# Altium PCB sFMC-98_s2.PcbDoc (part 2 of 2)
Units mm, origin at the board's own origin, x right, y up, seen from the top; angles counter-clockwise.
Board outline 80.35 x 49 mm, 2 copper layers (Top Layer, Bottom Layer); 74 components, 111 nets, 431 pads, 199 vias.
Unrouted connection lines stored in the file: 1.
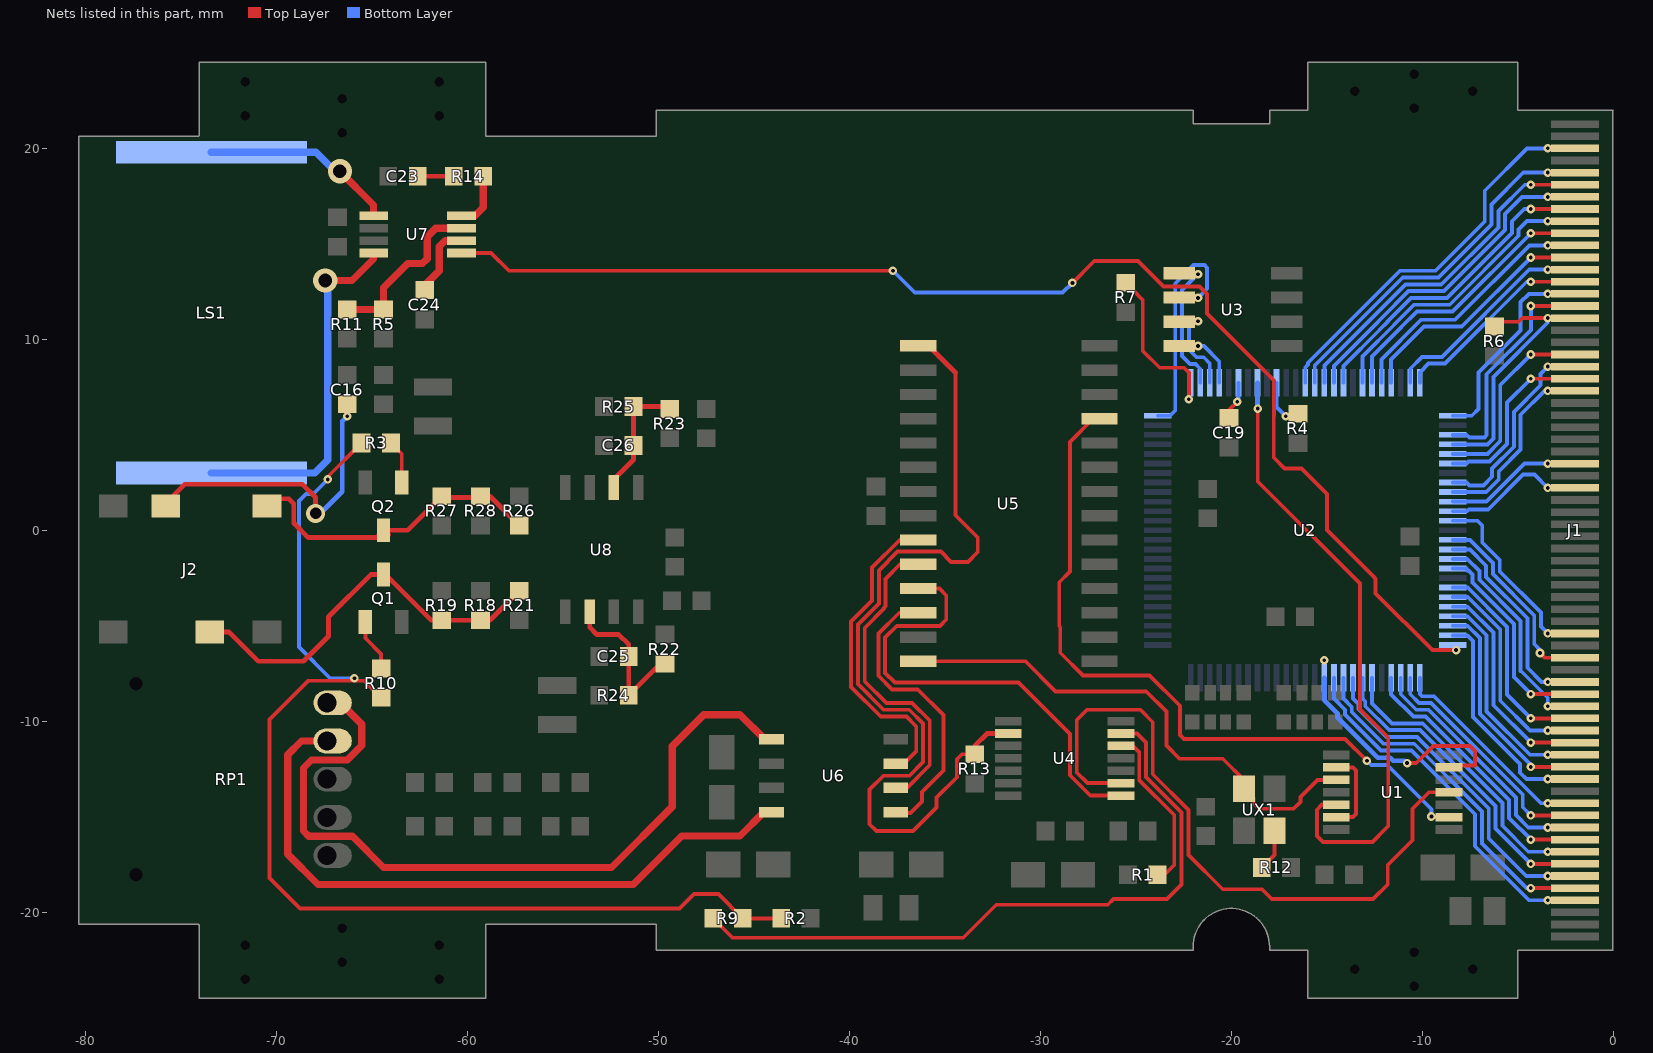
[diagram p2: the nets of this part, all layers, seen from the top]

## Via types
v1: diameter 1, hole 0.6, Top Layer to Bottom Layer, 98 vias
v2: diameter 0.45, hole 0.2, Top Layer to Bottom Layer, 95 vias
v3: diameter 1.27, hole 0.711, Top Layer to Bottom Layer, 6 vias

## Nets (pads, with @x,y where several pads share a name; then routed paths per layer and width w, separated by ;. In a path a pad name is that pad's centre, name@x,y a point inside that pad or via, vN(x,y) a via of type N, cw(c..) or ccw(c..) an arc to the next point about the centre after c; other vN are vias at no path point) (continued)
NetC16_2: C16.2 J2.5 | length 15.4
  Top Layer w0.254: J2.5@-75.791,1.268 -75.791,1.425 -74.803,2.413 -68.64,2.413 -67.945,1.718 v1(-67.945,0.889)
  Bottom Layer w0.254: v1(-67.945,0.889) -67.691,0.889 -66.548,2.032 -66.548,5.715 v2(-66.294,5.969)
NetC19_2: C19.2 U2.56 | length 1.8
  Top Layer w0.203: C19.2@-20.066,6.084 -20.066,6.35 v2(-19.685,6.731)
  Bottom Layer w0.203: v2(-19.685,6.731) -19.629,6.787 U2.56@-19.629,7.725
NetC23_1: C23.1 R14.2 | length 1.9
  Top Layer w0.254: C23.1@-62.603,18.542 R14.2@-60.714,18.542
NetC24_2: C24.2 U7.2 | length 3.9
  Top Layer w0.381: C24.2@-62.23,12.581 -62.23,12.827 -61.468,13.589 -61.468,14.859 -61.158,15.169 U7.2@-60.311,15.169
NetC25_2: C25.2 R22.2 R24.1 U8.2 | length 8.5
  Top Layer w0.254: U8.2@-53.594,-4.266 -53.594,-5.08 -53.213,-5.461 -52.07,-5.461 -51.554,-5.977 C25.2@-51.554,-6.604 R24.1@-51.554,-8.636 -49.911,-6.993 R22.2@-49.657,-6.993
NetC26_2: C26.2 R23.2 R25.1 U8.6 | length 6.6
  Top Layer w0.254: U8.6@-52.324,2.234 -52.324,2.667 -51.3,3.691 C26.2@-51.3,4.445 R25.1@-51.3,6.477 -49.522,6.477 R23.2@-49.403,6.358
NetJ1_33: J1.33 U2.10 | length 17.8
  Bottom Layer w0.203: U2.10@-14.629,-7.725 -14.629,-8.815 -14.051,-9.393 -14.051,-9.652 -12.172,-11.532 -10.566,-11.532 -7.231,-14.867 -7.231,-16.543 -4.404,-19.37 v2(-3.429,-19.37)
NetJ2_3: J2.3 Q2.3 R26.2 R27.1 R28.1 | length 16.7
  Top Layer w0.254: J2.3@-70.491,1.268 -70.108,1.651 -69.342,1.651 -69.088,1.397 -69.088,0.381 -68.326,-0.381 -64.77,-0.381 Q2.3@-64.389,0 -63.119,0 -62.276,0.843 -62.276,0.851 R27.1@-61.412,1.714 ; Q2.3@-64.389,-0.234 Q2.3@-64.115,-0.234 ; R27.1@-61.341,1.786 R27.1@-61.412,1.714 ; R26.2@-57.277,0.246 -58.817,1.786 R28.1@-59.309,1.786 -59.38,1.714 R27.1@-61.412,1.714
NetJ2_4: J2.4 Q1.3 R18.1 R19.1 R21.2 | length 21
  Top Layer w0.254: J2.4@-73.491,-5.332 -72.468,-5.332 -70.942,-6.858 -68.58,-6.858 -67.272,-5.55 -67.272,-4.534 -65.044,-2.306 Q1.3@-64.389,-2.306 -64.301,-2.306 -61.9,-4.707 R19.1@-61.341,-4.707 R18.1@-59.309,-4.707 -58.817,-4.707 R21.2@-57.277,-3.167
NetLS1_1: LS1.1 U7.8 | length 19.2
  Top Layer w0.381: v3(-67.437,13.081) -66.04,13.081 -64.911,14.21 U7.8@-64.911,14.519
  Bottom Layer w0.381: LS1.1@-73.406,2.997 -67.996,2.997 -67.31,3.683 v3@-67.31,13.208
NetLS1_2: LS1.2 pad.2@-66.548,20.828 U7.5 | length 10.2
  Top Layer w0.381: v3(-66.675,18.796) -64.911,17.032 U7.5@-64.911,16.469
  Bottom Layer w0.381: LS1.2@-73.406,19.797 -67.93,19.797 -66.929,18.796 v3(-66.675,18.796)
NetQ1_1: Q1.1 R10.1 | length 2.8
  Top Layer w0.203: Q1.1@-65.339,-4.806 -65.339,-5.654 -64.516,-6.477 R10.1@-64.516,-7.231
NetQ2_1: Q2.1 R3.1 | length 2.3
  Top Layer w0.203: R3.1@-64,4.572 -63.439,4.011 Q2.1@-63.439,2.5
NetR1_2: R1.2 U4.5 | length 8.9
  Top Layer w0.203: U4.5@-25.777,-11.288 -25.143,-11.288 -24.823,-11.608 -24.823,-13.068 -22.987,-14.904 -22.987,-17.526 -23.495,-18.034 R1.2@-23.868,-18.034
NetR2_2: R2.2 R3.2 R9.2 R10.2 | length 59.5
  Top Layer w0.203: v2(-67.31,2.667) -67.31,2.802 R3.2@-65.54,4.572 ; R10.2@-64.516,-8.771 -65.413,-7.874 -68.326,-7.874 -70.358,-9.906 -70.358,-18.212 -68.758,-19.812 -48.895,-19.812 -48.133,-19.05 -46.855,-19.05 R9.2@-45.585,-20.32 R2.2@-43.569,-20.32
  Bottom Layer w0.203: v2(-67.31,2.667) -68.072,1.905 -68.453,1.905 -68.826,1.532 -68.826,-6.104 -67.183,-7.747 v2(-65.913,-7.747)
NetR4_1: R4.1 U2.60 | length 2
  Bottom Layer w0.203: U2.60@-17.629,7.725 -17.629,6.453 v2(-17.145,5.969)
NetR5_1: R5.1 R11.1 U7.3 | length 9.1
  Top Layer w0.381: R11.1@-66.294,11.565 R5.1@-64.389,11.565 -64.389,12.7 -63.119,13.97 -62.357,13.97 -62.103,14.224 -62.103,15.367 -61.651,15.819 U7.3@-60.311,15.819
NetR7_1: R7.1 U2.51 | length 8.3
  Top Layer w0.203: R7.1@-25.146,13.216 -25.146,12.573 -24.638,12.065 -24.638,9.398 -23.749,8.509 -22.479,8.509 -22.225,8.255 v2(-22.225,6.858)
NetR9_1: R9.1 U4.6 | length 35.8
  Top Layer w0.203: R9.1@-47.125,-20.32 -46.109,-21.336 -34.036,-21.336 -32.309,-19.609 -26.467,-19.609 -26.162,-19.304 -23.368,-19.304 -22.606,-18.542 -22.606,-14.783 -24.468,-12.921 -24.468,-11.117 -24.947,-10.638 U4.6@-25.777,-10.638
NetR12_2: R12.2 UX1.1 | length 2.2
  Top Layer w0.203: R12.2@-18.391,-17.653 -17.742,-17.004 UX1.1@-17.742,-15.73
NetR14_1: R14.1 U7.4 | length 3
  Top Layer w0.381: U7.4@-60.311,16.469 -59.604,16.469 -59.174,16.899 R14.1@-59.174,18.542
NetRP1_4: RP1.4 U6.4 | length 35.1
  Top Layer w0.381: RP1.4@-67.354,-11.03 -68.688,-11.03 -69.406,-11.748 -69.406,-16.954 -67.818,-18.542 -51.316,-18.542 -48.776,-16.002 -45.72,-16.002 -44.475,-14.757 U6.4@-44.068,-14.757
NetRP1_5: RP1.5 U6.1 | length 41.2
  Top Layer w0.381: RP1.5@-67.354,-9.03 -66.662,-9.03 -65.532,-10.16 -65.532,-11.263 -66.293,-12.023 -68.157,-12.023 -68.58,-12.446 -68.58,-15.748 -68.305,-16.023 -66.019,-16.023 -64.389,-17.653 -52.451,-17.653 -49.276,-14.478 -49.276,-11.303 -47.625,-9.652 -45.72,-9.652 -44.425,-10.947 U6.1@-44.068,-10.947
NetU1_2: U1.2 U1.6 | length 4.5
  Top Layer w0.203: U1.6@-14.507,-15.016 -13.619,-15.016 -13.462,-14.859 -13.462,-12.573 -13.619,-12.416 U1.2@-14.507,-12.416
NetU1_5: U1.5 U2.58 | length 32.9
  Top Layer w0.203: v2(-18.618,6.375) -18.618,2.565 -13.259,-2.794 -13.259,-9.373 -11.785,-10.846 -11.785,-15.479 -12.014,-15.708 ; U1.5@-14.507,-14.366 -15.255,-14.366 -15.519,-14.63 -15.519,-16.002 -15.199,-16.323 -12.614,-16.323 -11.887,-15.595
  Bottom Layer w0.254: U2.58@-18.629,7.725 -18.629,6.386 v2(-18.618,6.375)
NetU1_9: U1.9 U5.11 | length 38.4
  Top Layer w0.203: U5.11@-26.898,5.842 -27.238,5.842 -28.448,4.632 -28.448,-2.159 -29.007,-2.718 -29.007,-5.024 -28.956,-5.075 -28.956,-6.41 -27.771,-7.595 -24.282,-7.595 -22.691,-9.186 -22.691,-10.71 -22.479,-10.922 -14.046,-10.922 v2(-12.903,-12.065) ; v2(-9.525,-14.986) -9.495,-15.016 U1.9@-8.607,-15.016
  Bottom Layer w0.203: v2(-12.903,-12.065) -12.674,-12.294 -11.836,-12.294 -9.525,-14.605 v2(-9.525,-14.986)
NetU1_11: U1.11 U4.2 | length 36
  Top Layer w0.203: U4.2@-25.777,-13.238 -27.529,-13.238 -28.093,-12.674 -28.093,-9.932 -27.559,-9.398 -24.765,-9.398 -24.113,-10.05 -24.113,-12.773 -22.251,-14.636 -22.251,-16.992 -20.447,-18.796 -18.39,-18.796 -17.882,-19.304 -12.573,-19.304 -11.811,-18.542 -11.811,-17.526 -10.516,-16.231 -10.516,-14.58 -9.652,-13.716 U1.11@-8.607,-13.716
NetU1_13: U1.13 U2.11 | length 13.2
  Top Layer w0.203: v2(-10.795,-12.192) -10.317,-12.192 -9.412,-11.287 -7.509,-11.287 -7.239,-11.557 -7.239,-12.319 -8.51,-12.319 U1.13@-8.607,-12.416
  Bottom Layer w0.254: U2.11@-15.129,-7.725 -15.129,-8.899 -14.432,-9.596 -14.432,-9.81 -12.329,-11.913 -11.679,-11.913 -11.526,-12.065 -10.922,-12.065 v2(-10.795,-12.192)
  other v2: -15.136,-6.806
NetU2_50: U2.50 U3.2 | length 11.6
  Bottom Layer w0.203: U2.50@-23.854,6 -23.21,6 -22.936,6.274 -22.936,12.929 -21.975,13.89 -21.409,13.89 -21.263,13.745 -21.263,12.646 v2(-21.742,12.167)
NetU2_52: U2.52 U3.1 | length 6.6
  Bottom Layer w0.203: v2(-21.742,13.411) -22.581,12.573 -22.581,9.119 -22.166,8.704 -21.874,8.704 -21.629,8.459 U2.52@-21.629,7.725
NetU2_53: U2.53 U3.3 | length 4.3
  Bottom Layer w0.203: v2(-21.742,10.947) -22.098,10.947 -22.221,10.824 -22.221,9.454 -21.827,9.06 -21.445,9.06 -21.129,8.744 U2.53@-21.129,7.725
NetU2_54: U2.54 U3.4 | length 2.6
  Bottom Layer w0.203: v2(-21.742,9.652) -21.438,9.652 -20.629,8.843 U2.54@-20.629,7.725
PC_A0: J1.29 U2.1 | length 9.9
  Bottom Layer w0.203: U2.1@-10.129,-7.725 -10.129,-8.581 -10.023,-8.687 -9.388,-8.687 -3.785,-14.29 v2(-3.429,-14.29)
PC_A1: J1.28 U2.99 | length 10.7
  Bottom Layer w0.203: U2.99@-8.404,-5.5 -7.632,-5.5 -7.341,-5.791 -7.341,-9.776 -4.877,-12.239 -4.877,-12.695 -4.552,-13.02 v2(-3.429,-13.02)
PC_A2: J1.27 U2.97 | length 10.3
  Bottom Layer w0.203: U2.97@-8.404,-4.5 -7.626,-4.5 -6.629,-5.496 -6.629,-9.481 -4.36,-11.75 v2(-3.429,-11.75)
PC_A3: J1.26 U2.95 | length 10
  Bottom Layer w0.203: U2.95@-8.404,-3.5 -7.62,-3.5 -5.918,-5.202 -5.918,-8.922 -4.36,-10.48 v2(-3.429,-10.48)
PC_A4: J1.25 U2.91 | length 10.2
  Bottom Layer w0.203: U2.91@-8.404,-1.5 -7.644,-1.5 -7.01,-2.134 -7.01,-2.591 -4.851,-4.75 -4.851,-7.378 -4.816,-7.378 -3.429,-8.765 v2(-3.429,-9.21)
PC_A5: J1.24 U2.90 | length 9.7
  Bottom Layer w0.203: U2.90@-8.404,-1 -7.509,-1 -6.655,-1.854 -6.655,-2.444 -4.496,-4.603 -4.496,-7.195 -3.751,-7.94 v2(-3.429,-7.94)
PC_A6: J1.23 U2.89 | length 10.3
  Top Layer w0.203: v2(-3.835,-6.426) -3.592,-6.67 J1.23@-2,-6.67
  Bottom Layer w0.203: U2.89@-8.404,-0.5 -7.506,-0.5 -6.299,-1.707 -6.299,-2.296 -4.14,-4.455 -4.14,-5.959 -3.835,-6.264 v2(-3.835,-6.426)
PC_A7: J1.22 U2.87 | length 8.7
  Bottom Layer w0.203: U2.87@-8.404,0.5 -7.104,0.5 -6.858,0.254 -6.858,-0.645 -5.944,-1.56 -5.944,-2.149 -3.785,-4.308 -3.785,-5.044 v2(-3.429,-5.4)
PC_A8: J1.12 U2.84 | length 8.5
  Bottom Layer w0.203: U2.84@-8.404,2 -6.651,2 -5.994,2.657 -5.994,3.084 -4.851,4.227 -4.851,6.052 -3.604,7.3 v2(-3.429,7.3)
PC_A9: J1.11 U2.83 | length 9.3
  Bottom Layer w0.203: U2.83@-8.404,2.5 -7.67,2.5 -7.525,2.356 -6.798,2.356 -6.35,2.804 -6.35,3.24 -6.341,3.24 -5.207,4.374 -5.207,6.199 -3.81,7.596 -3.81,8.189 v2(-3.429,8.57)
PC_A10: J1.8 U2.76 | length 9.6
  Bottom Layer w0.203: U2.76@-8.404,6 -7.411,6 -7.061,6.35 -7.061,8.255 -4.851,10.465 -4.851,11.948 -4.42,12.38 v2(-3.429,12.38)
PC_C\E\1\: J1.7 U2.74 | length 10.1
  Bottom Layer w0.203: U2.74@-10.629,7.725 -10.629,8.459 -10.006,9.082 -8.968,9.082 -4.399,13.65 v2(-3.429,13.65)
PC_C\E\2\: J1.42 U2.78 | length 11.9
  Top Layer w0.203: v2(-4.318,11.745) J1.42@-2,11.745
  Bottom Layer w0.203: U2.78@-8.404,5 -7.67,5 -7.525,4.856 -6.752,4.856 -6.629,4.978 -6.629,8.174 -4.318,10.485 v2(-4.318,11.745)
PC_D0: J1.30 U2.3 | length 12
  Bottom Layer w0.203: U2.3@-11.129,-7.725 -11.129,-8.587 -10.318,-9.398 -9.683,-9.398 -5.097,-13.983 -5.097,-14.913 -4.45,-15.56 v2(-3.429,-15.56)
PC_D1: J1.31 U2.6 | length 14.5
  Bottom Layer w0.203: U2.6@-12.629,-7.725 -12.629,-9.063 -11.582,-10.109 -9.977,-10.109 -5.809,-14.278 -5.809,-15.472 -4.45,-16.83 v2(-3.429,-16.83)
PC_D2: J1.32 U2.8 | length 16.2
  Bottom Layer w0.203: U2.8@-13.629,-7.725 -13.629,-8.809 -13.34,-9.098 -13.34,-9.357 -11.877,-10.82 -10.272,-10.82 -6.52,-14.572 -6.52,-16.137 -4.557,-18.1 v2(-3.429,-18.1)
PC_D3: J1.2 U2.63 | length 19.3
  Bottom Layer w0.203: U2.63@-16.129,7.725 -16.129,8.534 -15.985,8.679 -15.985,8.775 -11.171,13.589 -9.301,13.589 -6.731,16.159 -6.731,17.78 -4.511,20 v2(-3.429,20)
PC_D4: J1.3 U2.64 | length 17.9
  Bottom Layer w0.203: U2.64@-15.629,7.725 -15.629,8.628 -11.024,13.233 -9.154,13.233 -6.375,16.012 -6.375,17.069 -4.714,18.73 v2(-3.429,18.73)
PC_D5: J1.4 U2.66 | length 16.3
  Bottom Layer w0.203: U2.66@-14.629,7.725 -14.629,8.612 -12.381,10.86 -12.381,10.865 -12.178,11.068 -12.178,11.073 -10.729,12.522 -8.859,12.522 -5.664,15.717 -5.664,16.566 -4.77,17.46 v2(-3.429,17.46)
PC_D6: J1.5 U2.69 | length 14.2
  Bottom Layer w0.203: U2.69@-13.129,7.725 -13.129,9.101 -11.467,10.763 -11.467,10.779 -10.434,11.811 -8.565,11.811 -4.953,15.423 -4.953,15.748 -4.511,16.19 v2(-3.429,16.19)
PC_D7: J1.6 U2.71 | length 12.4
  Bottom Layer w0.203: U2.71@-12.129,7.725 -12.129,8.953 -10.058,11.024 -8.28,11.024 -4.384,14.92 v2(-3.429,14.92)
PC_D8: J1.64 U2.4 | length 14.2
  Top Layer w0.203: v2(-4.318,-16.195) J1.64@-2,-16.195
  Bottom Layer w0.203: U2.4@-11.629,-7.725 -11.629,-8.589 -10.465,-9.754 -9.83,-9.754 -5.453,-14.131 -5.453,-15.06 v2(-4.318,-16.195)
PC_D9: J1.65 U2.7 | length 16.6
  Top Layer w0.203: v2(-4.318,-17.465) J1.65@-2,-17.465
  Bottom Layer w0.203: U2.7@-13.129,-7.725 -13.129,-8.807 -12.985,-8.951 -12.985,-9.21 -11.73,-10.465 -10.125,-10.465 -6.164,-14.425 -6.164,-15.619 v2(-4.318,-17.465)
PC_D10: J1.66 U2.9 | length 18.5
  Top Layer w0.203: v2(-4.318,-18.735) J1.66@-2,-18.735
  Bottom Layer w0.203: U2.9@-14.129,-7.725 -14.129,-8.812 -13.696,-9.246 -13.696,-9.504 -12.024,-11.176 -10.419,-11.176 -6.875,-14.72 -6.875,-16.396 -4.537,-18.735 v2(-4.318,-18.735)
PC_D11: J1.37 U2.65 | length 18.4
  Top Layer w0.203: v2(-4.318,18.095) J1.37@-2,18.095
  Bottom Layer w0.203: U2.65@-15.129,7.725 -15.129,8.62 -12.534,11.215 -12.534,11.22 -10.876,12.878 -9.007,12.878 -6.02,15.865 -6.02,16.713 -4.638,18.095 v2(-4.318,18.095)
PC_D12: J1.38 U2.67 | length 16.8
  Top Layer w0.203: v2(-4.318,16.825) J1.38@-2,16.825
  Bottom Layer w0.203: U2.67@-14.129,7.725 -14.129,8.604 -12.229,10.504 -12.229,10.509 -11.822,10.916 -11.822,10.926 -10.582,12.167 -8.712,12.167 -5.309,15.57 -5.309,16.18 -4.663,16.825 v2(-4.318,16.825)
PC_D13: J1.39 U2.70 | length 14.7
  Top Layer w0.203: v2(-4.318,15.555) J1.39@-2,15.555
  Bottom Layer w0.203: U2.70@-12.629,7.725 -12.629,9.098 -11.111,10.616 -11.111,10.631 -10.287,11.455 -8.418,11.455 v2(-4.318,15.555)
PC_D14: J1.40 U2.72 | length 13.1
  Top Layer w0.203: v2(-4.318,14.285) J1.40@-2,14.285
  Bottom Layer w0.203: U2.72@-11.629,7.725 -11.629,8.945 -9.906,10.668 -7.935,10.668 v2(-4.318,14.285)
PC_D15: J1.41 U2.75 | length 10.6
  Top Layer w0.203: v2(-4.318,13.015) J1.41@-2,13.015
  Bottom Layer w0.203: U2.75@-10.129,7.725 -10.129,8.266 -9.669,8.726 -8.82,8.726 -4.532,13.015 v2(-4.318,13.015)
PC_H\W\E\: J1.15 U2.85 | length 5.8
  Bottom Layer w0.203: U2.85@-8.404,1.5 -6.648,1.5 -4.658,3.49 v2(-3.429,3.49)
PC_I\N\P\A\C\K\: J1.60 U2.96 | length 11.6
  Top Layer w0.203: v2(-4.318,-11.115) J1.60@-2,-11.115
  Bottom Layer w0.203: U2.96@-8.404,-4 -7.623,-4 -6.274,-5.349 -6.274,-9.159 v2(-4.318,-11.115)
PC_I\O\R\D\: J1.44 U2.80 | length 10.3
  Top Layer w0.203: v2(-4.318,9.205) J1.44@-2,9.205
  Bottom Layer w0.203: U2.80@-8.404,4 -6.587,4 -5.918,4.668 -5.918,7.605 v2(-4.318,9.205)
PC_I\O\W\R\: J1.45 U2.81 | length 9.5
  Top Layer w0.203: v2(-4.318,7.935) J1.45@-2,7.935
  Bottom Layer w0.203: U2.81@-8.404,3.5 -7.676,3.5 -7.58,3.596 -6.488,3.596 -5.563,4.521 -5.563,6.69 v2(-4.318,7.935)
PC_I\R\E\Q\: J1.16 U2.86 | length 6.1
  Bottom Layer w0.203: U2.86@-8.404,1 -7.661,1 -7.565,1.096 -6.549,1.096 -4.724,2.921 -4.13,2.921 v2(-3.429,2.22)
PC_O\E\: J1.9 R6.1 U2.79 | length 14.1
  Top Layer w0.203: R6.1@-6.223,10.676 -5.977,10.922 -4.953,10.922 -4.765,11.11 v2(-3.429,11.11) J1.9@-2,11.11
  Bottom Layer w0.203: U2.79@-8.404,4.5 -6.59,4.5 -6.274,4.816 -6.274,8.026 -3.429,10.871 v2(-3.429,11.11)
PC_R\E\G\: J1.61 U2.98 | length 11.8
  Top Layer w0.203: v2(-4.318,-12.385) J1.61@-2,-12.385
  Bottom Layer w0.203: U2.98@-8.404,-5 -7.629,-5 -6.985,-5.644 -6.985,-9.628 -4.318,-12.295 v2(-4.318,-12.385)
PC_RESET: J1.58 U2.92 | length 11.1
  Top Layer w0.203: v2(-4.318,-8.575) J1.58@-2,-8.575
  Bottom Layer w0.203: U2.92@-8.404,-2 -7.67,-2 -7.67,-2.096 -7.574,-2.096 -7.366,-2.304 -7.366,-2.738 -5.207,-4.897 -5.207,-7.686 v2(-4.318,-8.575)
PC_STSCHG: J1.63 U2.2 | length 12.5
  Top Layer w0.203: v2(-4.318,-14.925) J1.63@-2,-14.925
  Bottom Layer w0.203: U2.2@-10.629,-7.725 -10.629,-8.584 -10.17,-9.042 -9.535,-9.042 -4.742,-13.836 -4.742,-14.501 v2(-4.318,-14.925)
PC_W\A\I\T\: J1.59 U2.94 | length 11.3
  Top Layer w0.203: v2(-4.318,-9.845) J1.59@-2,-9.845
  Bottom Layer w0.203: U2.94@-8.404,-3 -7.617,-3 -5.563,-5.055 -5.563,-8.6 v2(-4.318,-9.845)
SPK_ENABLE: U2.100 U7.1 | length 66.6
  Top Layer w0.203: U7.1@-60.311,14.519 -58.76,14.519 -57.83,13.589 v2(-37.719,13.589) ; v2(-28.321,12.954) -27.178,14.097 -24.883,14.097 -23.557,12.771 -21.669,12.771 -21.263,12.365 -21.263,11.357 -17.758,7.852 -17.758,6.019 -17.78,5.998 -17.78,3.81 -17.209,3.239 -16.319,3.239 -14.986,1.905 -14.986,0.011 -12.497,-2.478 -12.497,-2.489 -12.446,-2.54 -12.446,-3.302 -9.474,-6.274 v2(-8.23,-6.274)
  Bottom Layer w0.203: v2(-37.719,13.589) -36.576,12.446 -28.829,12.446 v2(-28.321,12.954)
YM_BCO: U5.23 U6.7 | length 16.6
  Top Layer w0.203: U6.7@-37.568,-12.217 -37.135,-12.217 -36.5,-11.582 -36.5,-10.262 -37.008,-9.754 -38.354,-9.754 -39.903,-8.204 -39.903,-4.775 -38.811,-3.683 -38.811,-1.956 -37.363,-0.508 U5.23@-36.398,-0.508
YM_I\R\Q\: R13.1 U4.9 U5.15 | length 47
  Top Layer w0.203: -34.442,8.257 -34.442,0.787 -33.274,-0.381 -33.274,-1.143 -33.782,-1.651 -34.671,-1.651 -35.204,-1.118 -37.47,-1.118 -38.456,-2.103 -38.456,-3.83 -39.548,-4.922 -39.548,-8.057 -38.207,-9.398 -36.861,-9.398 -36.144,-10.114 -36.144,-12.141 -36.855,-12.852 -38.217,-12.852 -38.938,-13.574 -38.938,-15.392 -38.583,-15.748 -36.658,-15.748 -35.433,-14.523 -35.433,-13.995 -34.367,-12.929 -34.367,-11.99 -34.104,-11.727 R13.1@-33.426,-11.727
  Top Layer w0.254: U5.15@-36.398,9.652 -35.837,9.652 -34.442,8.257 ; R13.1@-33.426,-11.727 -33.426,-11.278 -32.787,-10.638 U4.9@-31.677,-10.638
YM_LRO: U5.26 U6.5 | length 15.1
  Top Layer w0.203: U6.5@-37.009,-14.808 -36.805,-14.808 -36.195,-14.199 -36.195,-13.7 -35.078,-12.583 -35.078,-9.673 -36.419,-8.332 -37.765,-8.332 -38.482,-7.615 -38.482,-5.411 -37.389,-4.318 U5.26@-36.398,-4.318
YM_MCLK: U1.3 U5.28 UX1.3 | length 27.5
  Top Layer w0.203: U5.28@-36.398,-6.858 -30.78,-6.858 -29.205,-8.433 -24.455,-8.433 -23.402,-9.486 -23.402,-11.275 -22.713,-11.963 -20.447,-11.963 UX1.3@-19.342,-13.068 ; UX1.3@-19.253,-13.157 UX1.3@-19.342,-13.068 ; U1.3@-14.507,-13.066 -15.479,-13.066 -16.383,-13.97 -16.383,-14.224 -16.739,-14.58 -18.542,-14.58 -18.847,-14.275 -18.847,-14.026 UX1.3@-19.342,-13.53 UX1.3@-19.342,-13.068
YM_SO: U5.24 U6.6 | length 16.7
  Top Layer w0.203: U6.6@-37.568,-13.487 -36.988,-13.487 -35.789,-12.289 -35.789,-9.967 -36.713,-9.043 -38.059,-9.043 -39.192,-7.91 -39.192,-5.116 -38.176,-4.1 -38.176,-4.054 -38.1,-3.978 -38.1,-2.54 -37.338,-1.778 U5.24@-36.398,-1.778
YM_WCO: U4.1 U5.25 | length 24.6
  Top Layer w0.203: U5.25@-36.398,-3.048 -35.281,-3.048 -34.925,-3.404 -34.925,-4.674 -35.255,-5.004 -37.516,-5.004 -38.126,-5.614 -38.126,-7.468 -37.619,-7.976 -31.14,-7.976 -28.448,-10.668 -28.448,-12.827 -27.387,-13.888 U4.1@-25.777,-13.888
pads on no net: J1.10 J1.13 J1.14 J1.18 J1.19 J1.20 J1.21 J1.43 J1.46 J1.47 J1.48 J1.49 J1.50 J1.52 J1.53 J1.54 J1.55 J1.56 J1.62 RP1.0 U1.8 U2.13 U2.17 U2.19 U2.22 U2.25 U2.27 U2.29 U2.31 U2.35 U2.37 U2.41 U2.43 U2.45 U2.46 U2.47 U2.48 U2.49 U2.55 U2.57 U2.59 U2.61 U3.7 U4.4 U4.10 U4.12 U5.10 U5.13

## Other copper
Top Layer:
  rectangle net 5V_RAW: -3.683,0.381 -2.066,1.016
  region net 5V: -11.049,-14.097 -10.566,-14.097 -9.586,-13.117 -9.586,-12.075 -9.738,-12.075 -10.49,-12.827 -11.049,-12.827
  region net GND: -12.573,-7.62 -12.522,-7.569 -12.522,-4.674 -11.506,-4.674 -9.5,-6.68 -8.433,-6.68 -8.001,-7.112 -8.001,-7.671
  region net GND: -19.583,-0.076 -20.091,-0.584 -22.2,-0.584 -22.86,-1.245 -22.86,-1.397 -22.631,-1.626 -20.193,-1.626 -19.126,-2.692 -19.126,-4.75 -18.694,-5.182 -18.034,-5.182 -17.856,-5.004 -18.136,-4.724 -18.136,-3.962 -17.907,-3.734 -14.656,-3.734 -14.097,-3.175 -19.304,2.032 -19.304,2.972 -19.71,3.378 -20.447,3.378 -20.447,2.311 -20.752,2.007 -19.583,0.838
  region net GND: -7.366,-6.985 -11.938,-6.985 -12.573,-7.62 -12.573,-9.017 -10.795,-10.795 -7.239,-10.795
  region net GND: -3.485,20.574 -4.699,20.574 -4.953,20.32 -4.953,13.97 -6.731,12.192 -7.239,12.192 -7.239,16.51 -9.017,18.288 -11.684,18.288 -11.684,21.463 -6.096,21.463 -5.842,21.717 -3.231,21.717
  region net GND: -15.113,9.144 -11.049,9.144 -10.033,8.128 -7.112,8.128 -6.731,7.747 -5.207,7.747 -3.556,6.096 -3.556,4.191 -4.064,3.683 -4.064,1.778 -5.461,0.381 -5.461,-5.207 -6.604,-6.35 -6.477,-6.477 -6.477,-11.684 -7.62,-10.541 -7.62,-5.969 -8.001,-5.588 -9.271,-5.588 -9.271,-1.651 -10.16,-0.762 -10.668,-0.762
  region net GND: -19.304,10.033 -17.018,7.747 -17.018,7.112 -15.367,7.112 -14.478,6.223 -14.478,0.381 -13.589,-0.508 -11.176,-0.508 -10.287,0.381 -10.287,5.207 -15.113,10.033
  region net 5V: -12.065,10.668 -10.16,8.763 -6.858,8.763 -6.604,9.017 -6.604,9.398 -6.731,9.398 -8.001,10.668
  region net 5V: -28.829,11.43 -28.829,13.335 -27.686,14.478 -18.669,14.478 -17.653,13.462 -16.51,13.462 -15.494,12.446 -15.494,11.049 -14.097,9.652 -8.636,9.652 -7.493,10.795 -7.493,16.256 -9.271,18.034 -33.401,18.034 -35.433,16.002 -35.433,10.795 -34.671,10.033
  region net GND: -10.414,-16.891 -11.176,-17.653 -11.43,-17.653 -11.43,-19.431 -9.144,-19.431 -8.382,-18.669 -8.382,-17.145
  region net 5V: -16.637,-19.812 -16.637,-21.463 -8.636,-21.463 -7.874,-20.701 -7.874,-19.177 -8.382,-19.177 -8.89,-19.685 -16.51,-19.685
  region net GND: -24.13,2.032 -25.654,3.556 -25.654,5.842 -25.273,6.223 -21.946,6.223 -20.447,4.724 -20.447,2.032
  region net GND: -22.86,-1.397 -24.257,0 -24.257,2.413 -21.336,2.413 -21.971,1.778 -21.971,-1.397
  region net 5V: -31.496,-5.461 -29.972,-5.461 -29.337,-4.826 -29.337,-2.54 -28.702,-1.905 -28.702,5.969 -27.813,6.858 -27.813,7.493 -28.829,8.509 -28.829,11.43 -32.766,11.43 -32.766,2.413 -32.131,2.413 -31.496,1.778
  region net 5V: -34.417,-2.921 -33.909,-2.413 -33.274,-2.413 -32.004,-1.143 -32.004,0.635 -32.512,1.143 -33.909,1.143 -33.909,1.651 -34.036,1.778 -33.909,1.905 -33.909,8.382 -34.798,9.271 -34.798,12.319 -32.004,12.319 -32.004,6.096 -30.226,4.318 -30.226,-4.699 -31.496,-5.969 -34.417,-5.969
  region net GND: -20.3,-11.608 -19.868,-11.176 -17.272,-11.176 -17.018,-11.43 -17.018,-12.319 -17.399,-12.7 -17.399,-13.081 -18.121,-13.081 -18.807,-12.395 -19.512,-12.395
  region net 5V: -33.909,-12.954 -33.909,-15.621 -33.274,-16.256 -30.353,-16.256 -30.226,-16.129 -29.718,-16.129 -29.718,-15.494 -29.401,-15.177 -30.099,-14.478 -32.385,-14.478 -33.02,-13.843 -33.02,-12.954
  region net GND: -41.275,-18.669 -41.656,-19.05 -41.656,-20.701 -41.529,-20.828 -39.878,-20.828 -39.751,-20.701 -39.751,-19.05
Bottom Layer:
  rectangle net GND: -19.624,-3.876 -12.624,3.124
  region net 5V: -20.853,-15.24 -20.142,-14.529 -18.898,-14.529 -18.39,-15.037 -16.688,-15.037 -16.688,-15.443 -17.247,-16.002 -17.729,-16.002 -18.288,-16.561 -18.847,-16.002 -20.853,-16.002
  region net GND: -14.834,2.743 -14.834,5.74 -13.64,6.934 -13.284,6.579 -11.633,6.579 -11.633,4.115 -12.827,2.921 -12.827,1.651
  region net 5V: -11.278,-0.762 -11.252,-0.787 -10.109,-0.787 -10.109,-1.219 -10.262,-1.372 -11.278,-1.372
  region net 5V: -12.319,-3.708 -12.319,2.997 -11.278,4.039 -11.278,3.607 -10.236,2.565 -10.236,1.575 -11.1,1.575 -11.506,1.168 -11.481,1.143 -11.481,-0.432 -10.262,-1.651
  region net GND: -16.815,-12.217 -16.256,-12.776 -16.256,-14.097 -16.764,-14.605
  region net 5V: -21.768,-8.103 -21.768,-8.585 -22.047,-8.865 -20.498,-10.414 -16.51,-10.414 -16.002,-10.922 -16.002,-14.097 -16.739,-14.834 -16.739,-15.494 -15.951,-14.707 -13.564,-14.707 -13.36,-14.503 -13.36,-11.43 -13.437,-11.43 -15.57,-9.296 -15.57,-8.814 -16.443,-8.814 -16.629,-8.628 -16.993,-8.992 -21.336,-8.992 -21.59,-8.738 -21.59,-8.407
  region net GND: -19.355,0.33 -20.422,1.397 -20.422,1.473 -22.555,1.473 -22.581,1.448 -22.581,5.588 -21.869,6.299 -19.304,6.299 -19.304,6.198 -18.999,5.893 -17.704,5.893 -17.704,3.708 -17.196,3.2 -17.196,2.743
  region net 5V: -16.002,12.319 -12.954,12.319 -16.002,9.271
  region: -15.875,12.573
  region net GND: -17.018,12.7 -12.7,12.7 -11.303,14.097 -9.652,14.097 -7.62,16.129 -7.62,17.78 -16.002,17.78 -16.891,16.891
  region net GND: -4.826,2.159 -6.35,0.635 -6.35,-0.635 -5.588,-1.397 -5.588,-1.905 -3.429,-4.064 -3.429,-4.699 -2.794,-5.334 -1.778,-5.334 -1.778,1.397 -2.159,1.778 -2.286,1.651 -3.683,1.651 -4.191,2.159
  region net GND: -22.733,14.986 -20.828,14.986 -20.447,14.605 -20.447,11.303 -18.542,9.398 -17.272,9.398 -16.256,10.414 -16.256,17.399 -16.383,17.526 -20.955,17.526
  region net 5V: -16.768,-4.064 -16.76,-7.082 -16.154,-6.477 -16.154,-6.26 -15.66,-5.766 -14.986,-5.766 -14.986,-5.334 -14.986,-4.064
  region net 5V: -11.278,2.642 -9.906,1.27 -9.906,-0.178 -12.319,-2.591 -12.319,-3.912 -12.522,-4.115 -14.656,-4.115 -15.984,-5.443 -15.076,-6.35 -9.83,-6.35 -9.408,-5.929 -9.408,-2.734 -9.55,-2.592 -9.55,2.769 -9.319,3 -9.576,3.257 -9.576,6.096 -10.16,6.68 -11.278,6.68
  region net GND: -2.159,21.082 -2.794,20.447 -2.794,-20.066 -2.286,-20.574 -1.397,-20.574 -1.397,20.828 -1.651,21.082
  region net GND: -11.049,-15.875 -11.049,-20.828 -10.414,-21.463 -1.143,-21.463 -0.635,-20.955 -0.635,-19.812 -4.699,-19.812 -8.636,-15.875
  region net GND: -25.019,4.295 -25.019,10.287 -23.622,11.684 -23.622,13.97 -22.479,15.113 -9.906,15.113 -4.445,20.574 -4.445,21.463 -15.367,21.463 -16.383,20.447 -22.86,20.447 -23.241,20.828 -23.241,21.082 -26.289,21.082 -27.559,19.812 -27.559,12.827 -30.202,10.184
  region net GND: -13.589,-17.145 -13.462,-17.018 -11.684,-17.018 -11.049,-17.653 -11.049,-18.161 -10.795,-18.161 -9.652,-19.304 -9.525,-19.177 -9.017,-19.177 -9.017,-18.669 -8.763,-18.415 -8.89,-18.288 -8.89,-15.875 -9.398,-15.875 -10.287,-14.986 -12.954,-14.986
  region net GND: -12.954,-14.986 -12.954,-16.764 -14.605,-18.415 -16.256,-18.415 -17.323,-17.348 -17.323,-16.256 -17.069,-16.256 -15.799,-14.986
  region net 5V: -20.955,-0.508 -20.955,-2.616 -20.43,-3.142 -20.193,-2.905 -20.193,-0.508
  region net GND: -22.733,-3.253 -22.782,-3.302 -22.147,-3.937 -20.828,-3.937 -20.828,-3.429 -21.463,-2.794 -21.463,-0.914 -21.996,-0.381 -22.733,-0.381
  region net 5V: -23.495,0.127 -22.987,0.127 -22.606,0.508 -22.606,1.016 -20.447,1.016 -19.812,0.381 -19.812,-5.41 -20.447,-6.045 -21.539,-6.045 -20.447,-4.953 -20.447,-1.651 -22.225,0.127
  region net GND: -28.702,-3.302 -28.664,-3.34 -25.057,-3.34 -25.397,-3.68 -25.397,-7.363 -25.527,-7.493
  region net 5V: -31.242,0.127 -25.019,0.127 -25.019,-0.889 -25.527,-1.397 -30.607,-1.397 -31.242,-0.762
  region net GND: -34.798,7.874 -34.036,7.112 -34.036,3.175 -32.512,1.651 -25.908,1.651 -24.892,2.667 -24.892,5.842 -25.654,5.842 -27.686,7.874
  region net GND: -30.861,-3.302 -30.861,-13.081 -29.972,-13.97 -28.829,-13.97 -28.829,-15.494 -27.686,-15.494 -27.178,-14.986 -21.082,-14.986 -20.32,-14.224 -18.796,-14.224 -18.415,-14.605 -16.764,-14.605 -16.764,-10.668 -20.828,-10.668 -24.257,-7.239 -24.257,-6.858 -25.146,-6.858 -28.702,-3.302
  region net 5V: -30.607,-15.748 -27.559,-15.748 -27.051,-15.24 -19.431,-15.24 -17.653,-17.018 -17.653,-17.526 -16.383,-18.796 -13.97,-18.796 -13.589,-18.415 -13.589,-17.78 -13.208,-17.399 -11.811,-17.399 -11.557,-17.653 -11.557,-20.574 -12.319,-21.336 -17.45,-21.336 -17.45,-20.244 -18.517,-19.177 -21.26,-19.177 -22.555,-20.472 -22.555,-21.336 -30.175,-21.336 -30.607,-20.904
  region net 5V: -35.306,0.381 -35.306,-5.715 -34.036,-6.985 -34.036,-8.128 -33.655,-8.509 -33.655,-10.287 -34.036,-10.668 -34.036,-14.478 -33.655,-14.859 -32.385,-14.859 -30.607,-16.637 -30.607,-18.415 -29.337,-18.415 -29.083,-18.161 -29.083,-14.224 -30.099,-14.224 -31.115,-13.208 -31.115,-3.175 -34.417,0.127 -34.417,0.381
  region net GND: -34.29,-15.494 -34.29,-7.239 -35.56,-5.969 -35.56,0 -36.83,1.27 -36.83,-15.494
  region net GND: -39.497,10.795 -39.497,2.667 -39.497,-3.048 -39.624,-3.175 -39.624,-17.907 -40.894,-19.177 -40.894,-20.955 -33.274,-20.955 -30.861,-18.542 -30.861,-16.891 -32.639,-15.113 -34.163,-15.113 -36.576,-12.7 -36.576,6.731 -35.687,7.62 -27.813,7.62 -27.813,10.795
  region net GND: -49.149,-16.891 -47.498,-18.542 -45.593,-18.542 -43.053,-16.002 -43.053,-10.033 -43.18,-10.033 -44.831,-8.382 -46.355,-9.906 -47.879,-9.906 -48.768,-10.795
  region net GND: -68.047,-16.942 -68.072,-16.967 -68.072,-19.05 -67.564,-19.558 -65.024,-19.558 -64.643,-19.177 -64.643,-16.891
  region net GND: -51.435,-9.525 -51.308,-9.652 -51.308,-14.732 -48.26,-17.78 -48.006,-17.526 -47.244,-17.526 -47.244,-13.97 -47.498,-13.716 -46.863,-13.081 -46.863,-10.033 -46.99,-9.906
  region net GND: -18.39,-2.642 -19.629,-3.881 -19.629,-5.668 -17.018,-5.668 -17.018,-3.683 -17.526,-3.175
  region net GND: -53.848,3.302 -46.228,3.302 -46.228,6.604 -49.149,9.525 -53.848,9.525
  region net GND: -50.165,-1.27 -51.562,-2.667 -51.562,-9.525 -51.435,-9.525 -49.403,-11.557 -46.863,-11.557 -46.863,-1.27
  region net A5V: -42.164,-16.256 -42.164,-10.414 -44.45,-8.128 -44.45,11.151 -49.809,16.51 -67.31,16.51 -64.897,18.923 -41.91,18.923 -40.132,17.145 -40.132,-16.256
  region net GND: -67.183,16.129 -50.546,16.129 -44.831,10.414 -44.831,-8.382 -46.736,-10.287 -46.736,-4.699 -45.72,-3.683 -45.847,-3.556 -45.847,7.112 -49.022,10.287 -60.325,10.287 -61.468,9.144 -66.294,9.271 -66.294,13.589 -66.929,14.224 -67.183,14.224
  region net GND: -63.119,-15.621 -63.119,-6.477 -62.611,-5.969 -62.357,-6.223 -55.753,-6.223 -54.991,-5.461 -54.991,0.254 -53.975,1.27 -48.006,1.27 -47.117,0.381 -46.228,0.381 -46.228,3.302 -46.482,3.556 -62.865,3.556 -64.135,2.286 -64.135,-2.159 -65.532,-3.556 -65.405,-3.683 -65.405,-16.637 -65.278,-16.764
  region net GND: -63.5,-15.494
  region net A5V: -54.483,-12.319 -54.229,-12.319 -49.149,-17.399 -47.625,-18.923 -45.466,-18.923 -42.037,-15.494 -40.132,-15.494 -40.132,-17.653 -43.719,-21.24 -48.514,-21.082 -49.657,-19.939 -52.832,-19.939 -54.483,-18.288
  region net A5V: -54.483,-16.637 -52.197,-16.637 -52.07,-16.51 -52.07,-2.032 -50.927,-0.889 -47.879,-0.889 -47.879,0.508 -48.387,1.016 -53.721,1.016 -54.483,0.254
  region: -20.142,3.785
  text "Project" at -28.448,16.256 h2.54
  text "FMC98R" at -28.448,14.351 h2.54

## Silkscreen, mask and mechanical layers (free items; w line width, h text height)
Top Overlay:
  text "FH Studio" at -38.964,17.704 h3.05
  text "AndyLithia @ Lithcore.cn" at -38.989,14.884 h3.05
  text "191019" at -43.18,7.747 h3.05 r90
  text "FMC-98/r" at -42.799,-8.382 h3.05 r90
  text "Engineering Sample" at -40.132,-8.509 h3.05 r90
Bottom Overlay:
  region: -9.129,-7 -9.129,-8.524 -7.605,-7
  region: -8.255,-8.636
  region: -8.255,-8.636
  region: -8.255,-8.636
  region: -71.199,-20.575 -80.289,-15.429 -80.289,-20.554
  region: -61.582,-20.447 -67.624,-20.447 -80.289,-13.061 -80.289,-9.399
Mechanical 1:
  lines w0.1: -109.601,0 10.4,0 ; -74.059,-13.589 -74.041,-13.571 ; -0.025,22 -0.025,-22 ; 0,-22 0,22 ; -16.002,22 -16.002,22 ; -16.002,22 -18,22 -18,21.3 -22,21.3 -22,22 -50.1,22 -50.1,20.625 -59.041,20.625 -59.041,24.5 -74.041,24.5 -74.041,20.676 -74.092,20.625 -80.35,20.625 -80.35,-20.625 -74.092,-20.625 -74.041,-20.676 -74.041,-24.5 -59.041,-24.5 -59.041,-20.625 -50.1,-20.625 -50.1,-22 -22,-22 -22,-21.8 cw(c-20,-21.8) -18,-21.8 -18,-22 -16.002,-22 -16.002,-24.5 -5,-24.5 -5,-22 -0.025,-22 ; -16.002,22 -16.002,24.5 -5,24.5 -5,22 0,22 ; -0.025,-22 -0.025,-22 ; 0,22 0,22
Mechanical 13:
  lines w0.15: -79.457,0 6.143,0 ; -79.457,24.003 -79.454,24 ; 5.943,-27 -79.457,27 ; 5.943,27 -79.457,-27 ; -79.457,-27 -79.457,27 ; -79.457,-27 6.143,-27 6.143,27 -79.457,27

## Dimensions
6.143,27 to -79.457,27 on Mechanical 13

## Text inside footprints (layer, text, board x,y; h text height)
RP1: Mechanical 1 "ALPS RK10J12E" at -71.054,-18.23 h0.76 r90
U2: Bottom Overlay "1" at -9.129,-9.925 h0.76; Bottom Overlay "25" at -22.329,-9.925 h0.76; Bottom Overlay "26" at -26.029,-8.325 h0.76 r270; Bottom Overlay "51" at -24.454,9.9 h0.76 r180; Bottom Overlay "76" at -6.229,8.325 h0.76 r90; Bottom Overlay "50" at -26.054,6.2 h0.76 r270; Bottom Overlay "75" at -9.929,9.925 h0.76 r180; Bottom Overlay "100" at -6.204,-6.2 h0.76 r90